# Altium PCB WunderBar_v102b _flip.PcbDoc (part 4 of 7)
Units mil, origin at the board's own origin, x right, y up, seen from the top; angles counter-clockwise.
Board outline 4556.01 x 1552 mil, 4 copper layers (Top, Route2, Route15, Bottom), stack 52.756 mil thick; 380 components, 258 nets, 1391 pads, 528 vias.
Unrouted connection lines stored in the file: 8.
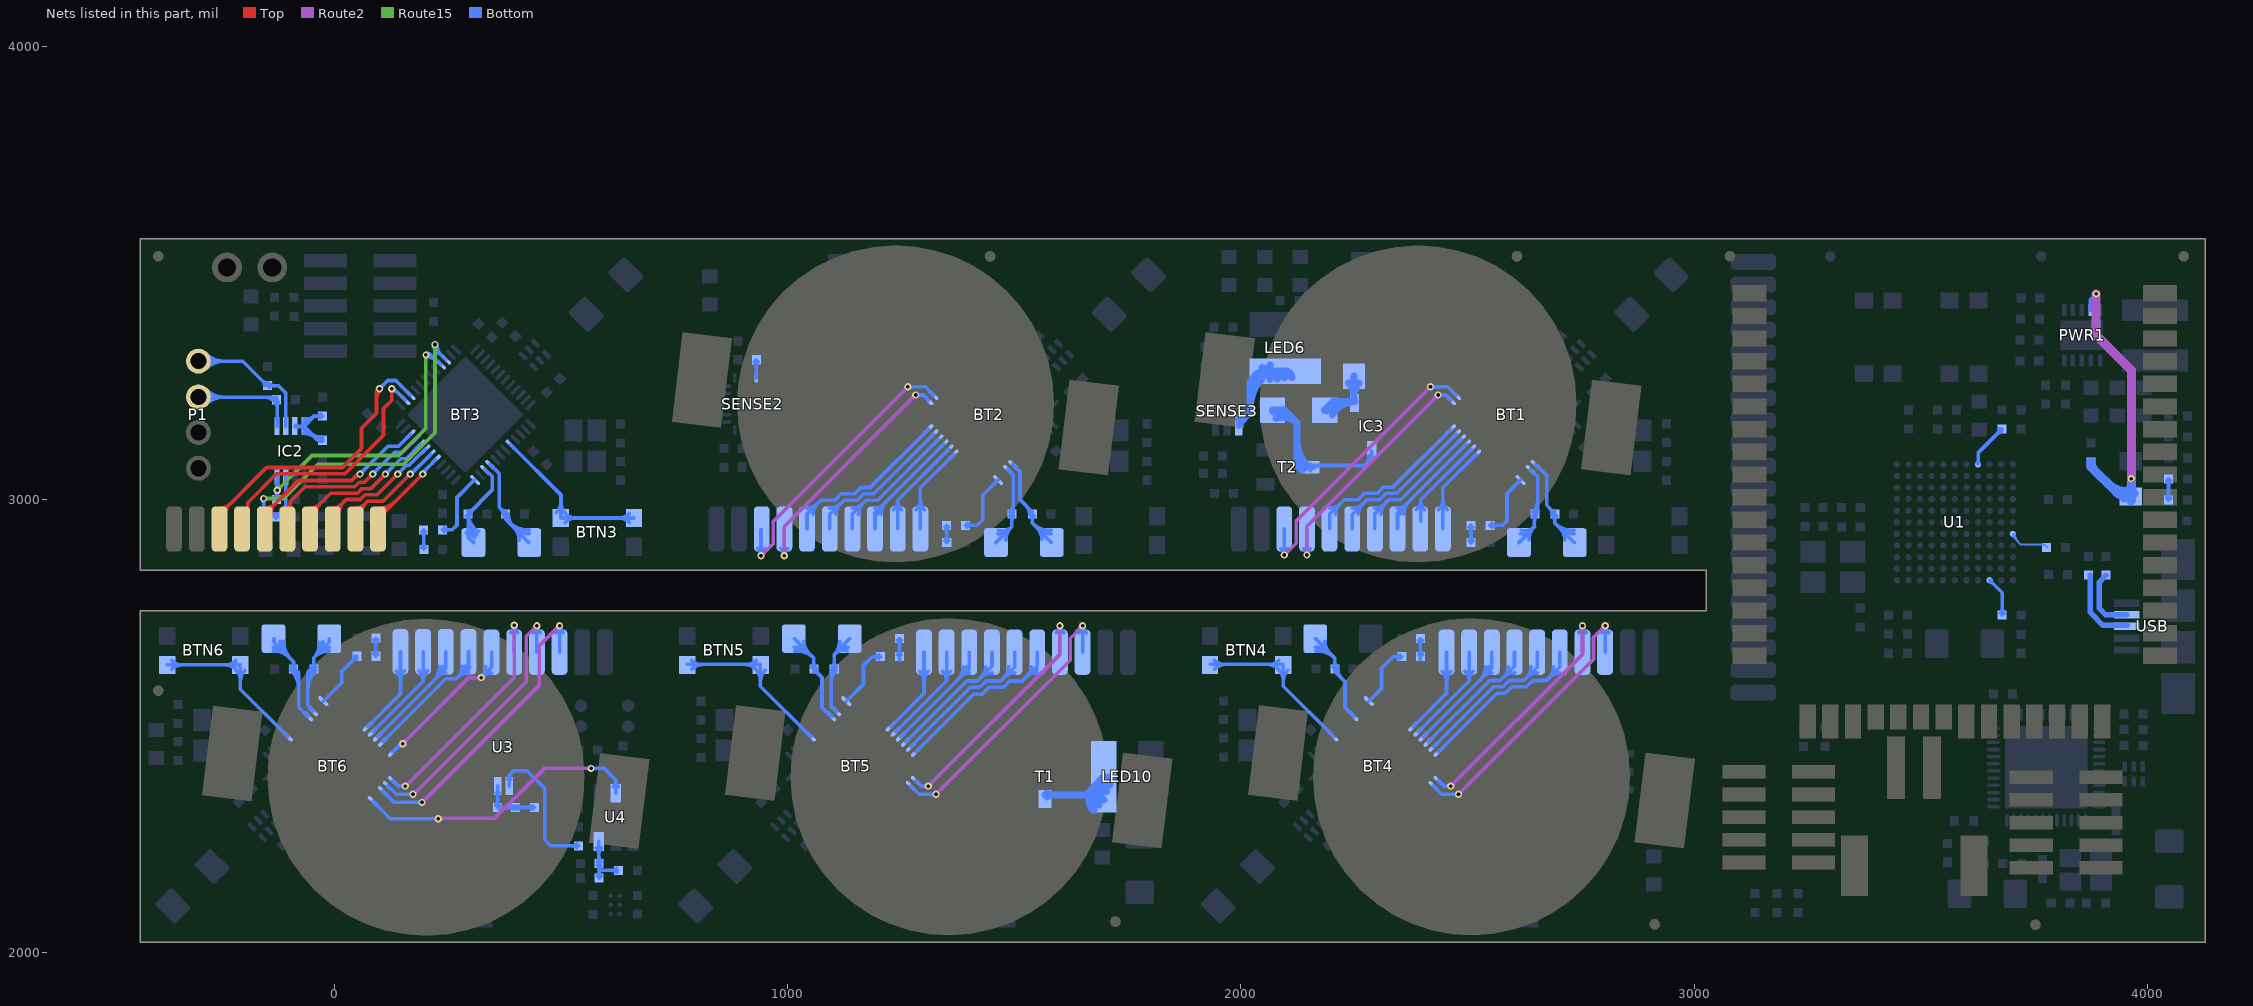
[diagram p6: the nets of this part, all layers, seen from the top]

## Via types
v1: diameter 16, hole 8, Top to Bottom, tented both sides, 282 vias
v2: diameter 24, hole 12, Top to Bottom, tented both sides, 135 vias
v3: diameter 14, hole 6, Top to Bottom, tented both sides, 34 vias
v4: diameter 48/41/41/48 (per signal layer), hole 32, Top to Bottom, 30 vias
v5: diameter 16, hole 8, Top to Route2, tented top, 18 vias
v6: diameter 21/21/21/21 (per signal layer), hole 12, Top to Bottom, tented both sides, 15 vias
v7: diameter 24, hole 12, Top to Route2, tented top, 12 vias
v8: diameter 21/21/21/21 (per signal layer), hole 12, Top to Bottom, 1 vias
v9: diameter 24, hole 8, Top to Bottom, tented both sides, 1 vias

## Nets (pads, with @x,y where several pads share a name; then routed paths per layer and width w, separated by ;. In a path a pad name is that pad's centre, name@x,y a point inside that pad or via, vN(x,y) a via of type N, cw(c..) or ccw(c..) an arc to the next point about the centre after c; other vN are vias at no path point) (continued)
NetC101_2: C101.2 R67.2 R68.2 U3.3 | length 258.2
  Bottom w8: C101.2@355.56,2325.29 ccw(c345.32,2335.53) 359.8,2335.53 ccw(c374.29,2335.53) 364.05,2325.29 ccw(c375,2336.24) 375,2320.75 ; U3.3@356.8,2353.57 cw(c349.54,2346.31) 359.8,2346.31 cw(c370.07,2346.31) U3.3@362.81,2353.57 ; U3.3@359.8,2368.32 C101.2@359.8,2321.05 360.1,2320.75 404.7,2320.75 R68.2@440.72,2320.75 ; C101.2@364.05,2316.8 cw(c373.58,2307.27) 373.58,2320.75 ; R67.2@394.99,2316.51 ccw(c384.74,2306.27) 384.74,2320.75 ccw(c384.74,2335.24) R67.2@394.99,2324.99 ; R67.2@403.47,2316.51 cw(c413.71,2306.27) 413.71,2320.75 cw(c413.71,2335.24) R67.2@403.47,2324.99 ; R68.2@436.48,2316.51 ccw(c426.24,2306.27) 426.24,2320.75 ccw(c426.24,2335.24) R68.2@436.48,2324.99
NetC106_1: C106.1 U1.L3 | length 122.2
  Bottom w8: U1.L3@3652.01,2819.07 cw(c3652.01,2811.83) 3657.14,2816.95 cw(c3662.26,2822.07) U1.L3@3655.01,2822.07 ; U1.L3@3652.01,2822.07 3679.63,2794.45 C106.1@3679.63,2745.48 ; C106.1@3675.39,2749.72 ccw(c3665.15,2759.97) 3679.63,2759.97 ccw(c3694.12,2759.97) C106.1@3683.87,2749.72
NetC112_2: C112.2 R63.2 R66.2 U4.3 | length 239
  Bottom w8: U4.3@577.66,2231.39 cw(c564.33,2218.05) 583.19,2218.05 cw(c602.04,2218.05) U4.3@588.71,2231.39 ; R66.2@579.59,2169.24 ccw(c569.35,2179.49) 583.83,2179.49 ccw(c598.32,2179.49) R66.2@588.08,2169.24 ; C112.2@579.59,2192.76 cw(c570.91,2184.08) 583.19,2184.08 ; C112.2@579.59,2201.24 ccw(c570.91,2209.92) 583.19,2209.92 ; 583.19,2213.05 ccw(c599.88,2213.05) C112.2@588.08,2201.24 ; U4.3@583.19,2245.77 583.19,2182.65 cw(c596.03,2182.63) C112.2@587.72,2192.43 ; R66.2@583.83,2165 583.83,2182 R63.2@624.03,2182 ; R63.2@622.09,2177.76 ccw(c611.85,2167.51) 611.85,2182 ccw(c611.85,2196.49) R63.2@622.09,2186.24
NetC114_2: C114.2 U1.G1 | length 134.1
  Bottom w4: U1.G1@3703,2919.96 ccw(c3706.06,2919.96) 3705.69,2916.92 ; U1.G1@3703.19,2924.46 3705.27,2922.38 3705.27,2916.73 3721.03,2900.97 3773.25,2900.97 C114.2@3780.22,2894 ; U1.G1@3704.19,2924.46 ccw(c3720.23,2924.46) 3708.89,2913.11 ; 3705.27,2917.41 cw(c3710.23,2917.41) U1.G1@3706.72,2920.92 ; U1.G1@3708.19,2924.46 ccw(c3733.89,2924.46) 3715.72,2906.28
NetIC3_2: IC3.2 LED13.K T2.3 | length 607.4
  Bottom w8: T2.3@2142.52,3071.48 2146.52,3075.48 2272.52,3075.48 2288.52,3090.48 IC3.2@2288.52,3106.48 ; T2.3@2146.93,3070.07 cw(c2160.01,3056.99) 2160.01,3075.48 cw(c2160.01,3085.97) T2.3@2152.59,3078.55 ; T2.3@2152.59,3064.41 cw(c2179.32,3037.68) 2179.32,3075.48 ; 2273.24,3076.15 ccw(c2253.11,3097.62) IC3.2@2282.52,3096.67
  Bottom w16: LED13.K@2069.52,3197.48 2095.52,3197.48 2123.52,3169.48 ; LED13.K@2071.02,3193.77 cw(c2083.29,3163.43) 2106.43,3186.57 ; LED13.K@2077.02,3178.94 cw(c2093.12,3139.09) 2123.52,3169.48 ; 2123.52,3090.79 ccw(c2160.83,3090.79) T2.3@2134.45,3064.41 ; 2123.52,3129.42 ccw(c2199.46,3129.42) T2.3@2145.76,3075.72 ; 2130.57,3083.43 cw(c2118.62,3071.48) T2.3@2135.52,3071.48 ; T2.3@2142.52,3071.48 2123.52,3090.48 2123.52,3169.48
NetIC3_4: IC3.4 L2.1 LED13.A | length 296.1
  Bottom w16: LED13.A@2184.52,3197.48 2203.52,3216.48 IC3.4@2251.52,3216.48 ; LED13.A@2188.09,3195.51 cw(c2224.07,3175.13) 2224.07,3216.48 ; LED13.A@2202.01,3187.62 cw(c2251.52,3159.58) IC3.4@2251.52,3216.48 ; L2.1@2237.84,3257.17 cw(c2209.63,3228.96) IC3.4@2249.52,3228.96 ; IC3.4@2249.52,3230.75 cw(c2286.88,3230.75) L2.1@2260.46,3257.17 ; L2.1@2249.52,3272.48 2249.52,3218.48 IC3.4@2251.52,3216.48
NetLED10_C: LED10.C T1.3 | length 511
  Bottom w16: T1.3@1567.52,2348.48 1658.52,2348.48 LED10.C@1697.52,2388.48 ; T1.3@1571.76,2344.24 cw(c1582.01,2333.99) 1582.01,2348.48 cw(c1582.01,2362.97) T1.3@1571.76,2352.72 ; 1658.1,2348.05 cw(c1686.45,2320.41) LED10.C@1703.6,2356.1 ; 1658.36,2348.32 cw(c1675.42,2331.69) LED10.C@1679.41,2355.17 ; LED10.C@1673.65,2364 cw(c1696.63,2341.59) LED10.C@1710.52,2370.52 ; LED10.C@1674.45,2364.82 ccw(c1699.89,2340.01) LED10.C@1674.97,2314.68 ; LED10.C@1679.65,2370.15 cw(c1681.63,2368.22) LED10.C@1682.1,2370.95 ; LED10.C@1682.07,2357.45 cw(c1718.27,2357.9) LED10.C@1692.35,2383.18 ; LED10.C@1685.67,2376.33 ccw(c1711.17,2351.47) LED10.C@1686.19,2326.09 ; LED10.C@1689.2,2379.95 cw(c1706.8,2362.78) LED10.C@1717.45,2384.94 ; LED10.C@1696.89,2387.84 ccw(c1722.44,2362.93) LED10.C@1697.42,2337.49
NetPWR1_9: PWR1.9 R56.1 R72.1 | length 804.2
  Route2 w20: v1(3887,3454) 3887,3363 3964.52,3285.48 v1(3964.52,3046.48)
  Bottom w10: PWR1.9@3875.52,3418.48 3875.52,3441.48 v1@3887.06,3453.02
  Bottom w20: 3883.3,3064.7 cw(c3902.08,3083.48) R56.1@3875.52,3083.48 3875.52,3072.48 3932,3016 ; 3912.06,3035.94 ccw(c3958.52,3082.4) R72.1@3958.52,3016.7 ; R72.1@3949,3003.62 ccw(c3932,2998.13) 3932,3016 ; R72.1@3949,3016 3932,3016 ; R72.1@3952.45,3014.64 cw(c3943,3027) 3932,3016 ; R72.1@3956.45,3013.77 ccw(c3936.96,3033.25) 3964.52,3033.25 ; R72.1@3963.52,3010.48 3963.52,2997.63 3964.52,2998.63 v1(3964.52,3046.48) ; 3964.52,3028.42 ccw(c3985.25,3028.42) R72.1@3970.59,3013.77
NetR30_2: R30.2 U1.A4 | length 133.8
  Bottom w8: U1.A4@3624.31,3080.05 ccw(c3619.19,3085.17) 3626.43,3085.17 ccw(c3633.67,3085.17) U1.A4@3628.55,3080.05 ; U1.A4@3626.43,3077.93 3626.43,3103.17 R30.2@3679.07,3155.81 ; R30.2@3673.07,3155.81 cw(c3658.58,3155.81) 3668.83,3145.57 cw(c3679.07,3135.33) R30.2@3679.07,3149.81
NetR51_1: R51.1 R53.2 | length 91.9
  Bottom w8: R53.2@4042.46,3003.53 ccw(c4032.26,3013.73) 4046.68,3013.73 ; R51.1@4042.44,3041.45 cw(c4032.2,3031.21) 4046.69,3031.21 cw(c4061.17,3031.21) R51.1@4050.93,3041.45 ; R53.2@4046.7,2999.29 R51.1@4046.69,3045.7 ; 4046.69,3013.81 ccw(c4061.23,3013.81) R53.2@4050.95,3003.53
NetR62_2: R62.2 U3.2 | length 355.2
  Bottom w8: U3.2@382.4,2383.08 ccw(c375.14,2390.33) 385.4,2390.33 ccw(c395.66,2390.33) U3.2@388.41,2383.08 ; U3.2@385.4,2368.32 385.4,2392.4 395,2402 424,2402 463.52,2362.48 463.52,2249.48 477.01,2235.99 R62.2@538.7,2235.99 ; R62.2@534.46,2231.75 ccw(c524.22,2221.51) 524.22,2235.99 ccw(c524.22,2250.48) R62.2@534.46,2240.24
NetR70_1: R70.1 USB.2_D- | length 145.8
  Bottom w12: R70.1@3909,2833.33 3894,2818.33 3894,2760 3907.93,2746.07 USB.2_D-@3954.52,2746.07
NetR71_1: R71.1 USB.3_D+ | length 175.7
  Bottom w12: R71.1@3874,2833.33 3874,2751 3902.52,2722.48 USB.3_D+@3955.52,2722.48
OPAMP_SHDW: BT6.18 U4.5 | length 723.5
  Route2 w8: v5(229,2296) 229.91,2296.91 352.91,2296.91 463,2407 v1(566,2407) ; v5@231.83,2293.17 cw(c240.84,2284.16) 240.84,2296.91 ; v1@563.17,2404.17 ccw(c556.34,2397.34) 556.34,2407 ccw(c556.34,2416.66) v1@563.17,2409.83
  Bottom w8: BT6.18@84.21,2334.92 123.04,2296.09 229,2296.09 ; 219.12,2296.09 cw(c219.12,2286.11) 226.17,2293.17 ; 219.57,2296.09 ccw(c219.57,2305.43) 226.17,2298.83 ; v1(566,2407) 595,2407 620.59,2381.41 U4.5@620.59,2352.07 ; v1@568.83,2404.17 cw(c575.66,2397.34) 575.66,2407 cw(c575.66,2416.66) v1@568.83,2409.83 ; U4.5@615.06,2366.45 ccw(c601.73,2379.78) 620.59,2379.78 ccw(c639.45,2379.78) U4.5@626.11,2366.45
P0.01E: BT3.5 PAD50.1 | length 306.4
  Top w8: PAD50.1@95.87,2935.48 95.87,2957.8 v1(194.53,3056.47) ; PAD50.1@95.87,2973.48 ccw(c95.87,3011.33) 122.63,2984.56 ; PAD50.1@95.87,2981.48 ccw(c95.87,3038.64) 136.28,2998.22 ; v1@190.53,3056.47 cw(c180.87,3056.47) 187.7,3049.64 cw(c194.53,3042.81) v1@194.53,3052.47
  Bottom w8: v1@194.14,3059.16 BT3.5@223.37,3088.39 ; v1@198.53,3056.47 cw(c215.63,3056.47) 203.54,3068.56
P0.02: BT1.6 PAD3.1 | length 245.9
  Bottom w8: PAD3.1@2435.97,2977.53 ccw(c2412.93,3000.57) 2445.52,3000.57 ccw(c2478.11,3000.57) PAD3.1@2455.07,2977.53 ; PAD3.1@2445.52,2935.48 2445.52,3026.17 BT1.6@2519.05,3099.7
P0.02B: BT2.6 PAD20.1 | length 245.9
  Bottom w8: PAD20.1@1282.97,2977.53 ccw(c1259.93,3000.57) 1292.52,3000.57 ccw(c1325.11,3000.57) PAD20.1@1302.07,2977.53 ; PAD20.1@1292.52,2935.48 1292.52,3026.17 BT2.6@1366.05,3099.7
P0.02C: BT4.6 PAD30.1 | length 245.9
  Bottom w8: BT4.6@2379.99,2499.26 2453.52,2572.79 PAD30.1@2453.52,2663.48 ; PAD30.1@2443.97,2621.43 cw(c2420.93,2598.39) 2453.52,2598.39 cw(c2486.11,2598.39) PAD30.1@2463.07,2621.43
P0.02D: BT5.6 PAD40.1 | length 245.9
  Bottom w8: BT5.6@1226.99,2499.26 1300.52,2572.79 PAD40.1@1300.52,2663.48 ; PAD40.1@1290.97,2621.43 cw(c1267.93,2598.39) 1300.52,2598.39 cw(c1333.11,2598.39) PAD40.1@1310.07,2621.43
P0.02E: BT3.6 PAD41.1 | length 331.9
  Top w8: PAD41.1@45.87,2935.48 45.87,2969.83 72.61,2996.57 106.99,2996.57 v1(166.89,3056.47) ; PAD41.1@45.87,2981.48 ccw(c45.87,3009.61) 65.76,2989.72 ; PAD41.1@59.37,2967.98 cw(c96.42,2967.98) 70.22,2994.18 ; v1@162.89,3056.47 cw(c153.23,3056.47) 160.06,3049.64 cw(c166.89,3042.81) v1@166.89,3052.47
  Bottom w8: v1(166.89,3056.47) 168.82,3056.47 BT3.6@212.05,3099.7 ; v1@166.89,3060.47 ccw(c166.89,3074.8) 177.02,3064.67
P0.02F: BT6.6 PAD53.1 | length 297.6
  Bottom w8: BT6.6@72.99,2499.26 145.34,2571.61 PAD53.1@145.34,2664.48 ; 145.34,2599.38 ccw(c112.75,2599.38) 135.79,2622.43 cw(c112.75,2599.38) 145.34,2599.38 ; 145.34,2599.38 cw(c177.93,2599.38) 154.89,2622.43 ccw(c177.93,2599.38) 145.34,2599.38
P0.04: BT1.8 PAD5.1 | length 316.3
  Bottom w8: PAD5.1@2345.52,2935.48 2345.52,2970.89 BT1.8@2496.69,3122.06 ; PAD5.1@2345.52,2981.48 ccw(c2345.52,3007.06) 2363.6,2988.97 ; PAD5.1@2351.02,2967.98 cw(c2371.32,2967.98) PAD5.1@2356.96,2982.33 ; PAD5.1@2359.02,2967.98 cw(c2398.63,2967.98) 2370.62,2995.99
P0.04B: BT2.8 PAD12.1 | length 316.3
  Bottom w8: PAD12.1@1192.52,2935.48 1192.52,2970.89 BT2.8@1343.69,3122.06 ; PAD12.1@1192.52,2981.48 ccw(c1192.52,3007.06) 1210.6,2988.97 ; PAD12.1@1198.02,2967.98 cw(c1218.32,2967.98) PAD12.1@1203.96,2982.33 ; PAD12.1@1206.02,2967.98 cw(c1245.63,2967.98) 1217.62,2995.99
P0.04C: BT4.8 PAD22.1 | length 316.3
  Bottom w8: BT4.8@2402.35,2476.9 2553.52,2628.07 PAD22.1@2553.52,2663.48 ; 2528.42,2602.97 ccw(c2500.41,2630.98) PAD22.1@2540.02,2630.98 ; 2535.44,2609.99 cw(c2553.52,2591.91) PAD22.1@2553.52,2617.48 ; PAD22.1@2542.08,2616.63 ccw(c2527.72,2630.98) PAD22.1@2548.02,2630.98
P0.04D: BT5.8 PAD32.1 | length 352.3
  Bottom w8: BT5.8@1249.35,2476.9 1400.52,2628.07 PAD32.1@1400.52,2663.48 PAD32.1@1400.52,2627.48 ; 1375.42,2602.97 ccw(c1347.41,2630.98) PAD32.1@1387.02,2630.98 ; 1382.44,2609.99 cw(c1400.52,2591.91) PAD32.1@1400.52,2617.48 ; PAD32.1@1389.08,2616.63 ccw(c1374.72,2630.98) PAD32.1@1395.02,2630.98
P0.04E: BT3.8 PAD43.1 | length 422.2
  Top w8: PAD43.1@-54.13,2935.48 -54.13,2968.83 -8.48,3014.48 50.61,3014.48 60.61,3024.48 80.16,3024.48 v1(112.15,3056.47) ; PAD43.1@-54.13,2981.48 ccw(c-54.13,3012.03) -32.53,2990.43 ; PAD43.1@-40.63,2967.98 cw(c-6,2967.98) -30.49,2992.47 ; v1@108.15,3056.47 cw(c98.5,3056.47) 105.32,3049.64 cw(c112.15,3042.81) v1@112.15,3052.47
  Bottom w8: v1(112.15,3056.47) 145.97,3090.28 157.92,3090.28 BT3.8@189.69,3122.06 ; v1@112.15,3060.47 ccw(c112.15,3070.13) 118.98,3063.3 ccw(c125.81,3056.47) v1@116.15,3056.47
P0.04F: BT6.8 PAD55.1 | length 417.7
  Bottom w8: BT6.8@95.35,2476.9 245.38,2626.93 PAD55.1@245.38,2664.48 ; 227.72,2616.46 cw(c252.76,2609.75) PAD55.1@244.59,2634.35 ; 218.76,2600.31 ccw(c187.1,2631.98) 231.88,2631.98 cw(c187.1,2631.98) 218.76,2600.31 ; 230.95,2612.5 cw(c245.38,2598.07) 245.38,2618.48 ccw(c245.38,2598.07) 230.95,2612.5 ; 232.42,2613.97 ccw(c214.41,2631.98) 239.88,2631.98 cw(c214.41,2631.98) 232.42,2613.97
P0.05: BT1.9 PAD6.1 | length 343.1
  Bottom w8: PAD6.1@2295.52,2935.48 2295.52,2969.52 2326,3000 2352.36,3000 BT1.9@2485.56,3133.19 ; PAD6.1@2295.52,2981.48 ccw(c2295.52,3010.36) 2315.94,2989.94 ; PAD6.1@2309.02,2967.98 cw(c2345.33,2967.98) 2319.65,2993.65
P0.05B: BT2.9 PAD13.1 | length 342.5
  Bottom w8: PAD13.1@1142.52,2935.48 1142.52,2968.52 1173,2999 1198.36,2999 BT2.9@1332.56,3133.19 ; PAD13.1@1142.52,2981.48 ccw(c1142.52,3012.77) 1164.64,2990.64 ; PAD13.1@1156.02,2967.98 cw(c1189.91,2967.98) 1165.95,2991.95
P0.05C: BT4.9 PAD23.1 | length 341.3
  Bottom w8: BT4.9@2413.48,2465.77 2548.72,2601 2572,2601 2603.52,2632.52 PAD23.1@2603.52,2663.48 ; 2577.85,2606.85 cw(c2603.52,2581.17) PAD23.1@2603.52,2617.48 ; 2581.56,2610.56 ccw(c2561.14,2630.98) PAD23.1@2590.02,2630.98
P0.05D: BT5.9 PAD33.1 | length 341.3
  Bottom w8: BT5.9@1260.48,2465.77 1281.06,2486.34 1394.72,2600 1418,2600 1450.52,2632.52 PAD33.1@1450.52,2663.48 ; 1424.85,2606.85 cw(c1450.52,2581.17) PAD33.1@1450.52,2617.48 ; 1428.56,2610.56 ccw(c1408.14,2630.98) PAD33.1@1437.02,2630.98
P0.05E: BT3.9 PAD49.1 | length 470.8
  Top w8: PAD49.1@-108.63,2980.71 ccw(c-114.21,2996.48) -97.48,2996.48 ; PAD49.1@-105.97,2973.17 ccw(c-110.21,2985.17) PAD49.1@-97.48,2985.17 ; PAD49.1@-104.13,2935.48 -104.13,2967.83 -97.48,2974.48 -97.48,2996.48 ; PAD49.1@-97.48,2984.51 ccw(c-87.6,2984.51) PAD49.1@-94.59,2977.53 ; v1@80.15,3056.47 cw(c70.5,3056.47) 77.32,3049.64 cw(c84.15,3042.81) v1@84.15,3052.47 ; v1(84.15,3056.47) 66.16,3038.48 54.48,3038.48 44.48,3028.48 -65.48,3028.48 -97.48,2996.48
  Bottom w8: v1(84.15,3056.47) 131.87,3104.19 149.55,3104.19 BT3.9@178.56,3133.19 ; v1@84.15,3060.47 ccw(c84.15,3070.13) 90.98,3063.3 ccw(c97.81,3056.47) v1@88.15,3056.47
P0.05F: BT6.9 PAD56.1 | length 440.8
  Bottom w8: BT6.9@106.48,2465.77 245.29,2604.57 268.57,2604.57 295.39,2631.39 PAD56.1@295.39,2664.48 ; 278.31,2618.6 cw(c299.6,2612.89) PAD56.1@294.86,2634.42 ; 282.57,2615.04 ccw(c277.11,2635.43) PAD56.1@297.85,2631.51 ; 271.93,2607.93 ccw(c247.89,2631.98) 281.89,2631.98 cw(c247.89,2631.98) 271.93,2607.93 ; 273.34,2609.34 cw(c295.39,2587.3) 295.39,2618.48 ccw(c295.39,2587.3) 273.34,2609.34
P0.06: BT1.10 PAD7.1 | length 385.4
  Bottom w8: PAD7.1@2245.52,2935.48 2245.52,2967.52 2278,3000 2306.33,3000 2320.24,3013.91 2344,3013.91 BT1.10@2474.42,3144.33 ; PAD7.1@2245.52,2981.48 ccw(c2245.52,3015.18) 2269.35,2991.35 ; PAD7.1@2259.02,2967.98 cw(c2290.5,2967.98) 2268.24,2990.24
P0.06B: BT2.10 PAD19.1 | length 385.4
  Bottom w8: PAD19.1@1092.52,2935.48 1092.52,2967.52 1124,2999 1153.33,2999 1167.24,3012.91 1190,3012.91 BT2.10@1321.42,3144.33 ; PAD19.1@1092.52,2981.48 ccw(c1092.52,3015.18) 1116.35,2991.35 ; PAD19.1@1106.02,2967.98 cw(c1137.5,2967.98) 1115.24,2990.24
P0.06C: BT4.10 PAD29.1 | length 385.9
  Bottom w8: BT4.10@2424.62,2454.63 2557.08,2587.09 2577.76,2587.09 2591.67,2601 2624,2601 2653.52,2630.52 PAD29.1@2653.52,2663.48 ; 2630.15,2607.15 ccw(c2606.32,2630.98) PAD29.1@2640.02,2630.98 ; 2631.26,2608.26 cw(c2653.52,2586) PAD29.1@2653.52,2617.48
P0.06D: BT5.10 PAD39.1 | length 385.9
  Bottom w8: BT5.10@1271.62,2454.63 1403.08,2586.09 1423.76,2586.09 1437.67,2600 1470,2600 1500.52,2630.52 PAD39.1@1500.52,2663.48 ; 1477.15,2607.15 ccw(c1453.32,2630.98) PAD39.1@1487.02,2630.98 ; 1478.26,2608.26 cw(c1500.52,2586) PAD39.1@1500.52,2617.48
P0.06E: BT3.10 PAD44.1 | length 509.6
  Top w8: PAD44.1@-154.13,2935.48 -154.13,2967.83 -79.57,3042.39 37.52,3042.39 51.6,3056.47 v1(56.15,3056.47) ; PAD44.1@-154.13,2981.48 ccw(c-154.13,3014.44) -130.83,2991.13 ; PAD44.1@-140.63,2967.98 cw(c-108.41,2967.98) -131.2,2990.76 ; 41.56,3046.42 cw(c56.15,3031.83) v1@56.15,3052.47
  Bottom w8: v1(56.15,3056.47) 117.78,3118.09 141.19,3118.09 BT3.10@167.42,3144.33 ; v1@56.15,3060.47 ccw(c56.15,3070.13) 62.98,3063.3 ccw(c69.81,3056.47) v1@60.15,3056.47
P0.07: BT1.11 PAD8.1 | length 428.8
  Bottom w8: PAD8.1@2195.52,2935.48 2195.52,2967.52 2228,3000 2258.33,3000 2272.24,3013.91 2300.57,3013.91 2314.48,3027.81 2335.63,3027.81 BT1.11@2463.29,3155.47 ; PAD8.1@2195.52,2981.48 ccw(c2195.52,3015.18) 2219.35,2991.35 ; PAD8.1@2209.02,2967.98 cw(c2240.5,2967.98) 2218.24,2990.24
P0.07B: BT2.11 PAD14.1 | length 429.4
  Bottom w8: PAD14.1@1042.52,2935.48 1042.52,2968.52 1073,2999 1104.33,2999 1118.24,3012.91 1147.57,3012.91 1161.48,3026.81 1181.63,3026.81 BT2.11@1310.29,3155.47 ; PAD14.1@1042.52,2981.48 ccw(c1042.52,3012.77) 1064.64,2990.64 ; PAD14.1@1056.02,2967.98 cw(c1089.91,2967.98) 1065.95,2991.95
P0.07C: BT4.11 PAD24.1 | length 429.4
  Bottom w8: BT4.11@2435.75,2443.49 2565.45,2573.19 2583.52,2573.19 2597.33,2587 2629.67,2587 2643.67,2601 2674,2601 2703.52,2630.52 PAD24.1@2703.52,2663.48 ; 2680.15,2607.15 ccw(c2656.32,2630.98) PAD24.1@2690.02,2630.98 ; 2681.26,2608.26 cw(c2703.52,2586) PAD24.1@2703.52,2617.48
P0.07D: BT5.11 PAD34.1 | length 442.9
  Bottom w8: BT5.11@1282.75,2443.49 1304,2464.74 1410.26,2571 1429,2571 1444,2586 1476,2586 1490,2600 1517,2600 1550.52,2633.52 PAD34.1@1550.52,2663.48 ; 1523.14,2606.14 cw(c1550.52,2578.76) PAD34.1@1550.52,2617.48 ; 1529.27,2612.27 ccw(c1510.56,2630.98) PAD34.1@1537.02,2630.98 ; PAD34.1@1536.8,2619.8 cw(c1550.52,2606.07) PAD34.1@1550.52,2625.48
P0.07F: BT6.11 PAD57.1 | length 469
  Route2 w8: v5(150.52,2461.48) 296.52,2607.48 v5(323.52,2607.48) ; v5@150.52,2465.48 ccw(c150.52,2475.14) 157.35,2468.31 ccw(c164.18,2461.48) v5@154.52,2461.48 ; v5@320.69,2604.65 ccw(c313.86,2597.82) 313.86,2607.48 ccw(c313.86,2617.14) v5@320.69,2610.31
  Bottom w8: BT6.11@128.75,2443.49 146.74,2461.48 v5(150.52,2461.48) ; BT6.11@137.24,2451.98 cw(c150.52,2438.7) 150.52,2457.48 ; 322.48,2611.34 ccw(c319.98,2620.67) 328.35,2615.84 ccw(c336.71,2611.01) 327.38,2608.52 ; 323.52,2611.48 ccw(c323.52,2621.14) 330.35,2614.31 ccw(c337.18,2607.48) 327.52,2607.48 ; 324.4,2608.36 cw(c346.41,2586.35) PAD57.1@346.41,2617.48 ; 324.56,2611.34 ccw(c326.77,2619.61) 331.05,2612.2 ; 327.38,2606.45 cw(c337.77,2603.66) 332.4,2612.98 ; PAD57.1@332.91,2630.74 cw(c300.83,2630.17) v5(323.52,2607.48) 346.41,2630.37 PAD57.1@346.41,2663.48
P0.08: BT1.14 PAD9.1 | length 693
  Route2 w8: v1@2142.69,2880.83 ccw(c2135.86,2887.66) 2145.52,2887.66 ccw(c2155.18,2887.66) v1@2148.35,2880.83 ; v1(2145.52,2878) 2145.52,2941.52 v5(2435,3231) ; v5@2431,3231 cw(c2421.34,3231) 2428.17,3224.17 cw(c2435,3217.34) v5@2435,3227
  Bottom w8: PAD9.1@2138.12,2891.69 cw(c2129.16,2878) v1(2145.52,2878) ; v1@2142.27,2880.33 ccw(c2136.6,2884.38) 2143.33,2886.18 ccw(c2150.06,2887.98) v1@2147.17,2881.64 ; v1@2142.69,2880.83 ccw(c2135.86,2887.66) 2145.52,2887.66 ccw(c2155.18,2887.66) v1@2148.35,2880.83 ; v1@2143.86,2881.64 ccw(c2140.98,2887.98) 2147.71,2886.18 ccw(c2154.44,2884.38) v1@2148.77,2880.33 ; PAD9.1@2145.52,2935.48 v1(2145.52,2878) ; PAD9.1@2152.92,2891.69 ccw(c2161.88,2878) v1(2145.52,2878) ; v5(2435,3231) 2451.78,3231 BT1.14@2463.29,3219.49 ; 2437.83,3228.17 cw(c2444.66,3221.34) 2444.66,3231 cw(c2444.66,3240.66) 2437.83,3233.83 ; 2445.51,3231 cw(c2445.51,3215.86) BT1.14@2456.21,3226.57
P0.08B: BT2.14 PAD15.1 | length 707.6
  Route2 w8: v1@989.17,2878.83 ccw(c982.34,2885.66) 992,2885.66 ccw(c1001.66,2885.66) v1@994.83,2878.83 ; v1(992,2876) 992,2941 v5(1282,3231) ; v5@1278,3231 cw(c1268.34,3231) 1275.17,3224.17 cw(c1282,3217.34) v5@1282,3227
  Bottom w8: PAD15.1@984.09,2892.43 cw(c970.96,2876) v1(992,2876) ; v1@988.54,2878 ccw(c980.18,2882.83) 989.5,2885.33 ccw(c998.83,2887.83) v1@994,2879.46 ; v1@989.17,2878.83 ccw(c982.34,2885.66) 992,2885.66 ccw(c1001.66,2885.66) v1@994.83,2878.83 ; v1@990,2879.46 ccw(c985.17,2887.83) 994.5,2885.33 ccw(c1003.82,2882.83) v1@995.46,2878 ; PAD15.1@992,2934.96 v1(992,2876) ; PAD15.1@1000.28,2891.93 ccw(c1011.48,2876) v1(992,2876) ; v5(1282,3231) 1298.78,3231 BT2.14@1310.29,3219.49 ; 1284.83,3228.17 cw(c1291.66,3221.34) 1291.66,3231 cw(c1291.66,3240.66) 1284.83,3233.83 ; 1292.51,3231 cw(c1292.51,3215.86) BT2.14@1303.21,3226.57
P0.08C: BT4.14 PAD25.1 | length 701.9
  Route2 w8: v5(2463,2368) 2753.52,2658.52 v1(2753.52,2722) ; v5@2463,2372 ccw(c2463,2381.66) 2469.83,2374.83 ccw(c2476.66,2368) v5@2467,2368 ; v1@2750.69,2719.17 cw(c2743.86,2712.34) 2753.52,2712.34 cw(c2763.18,2712.34) v1@2756.35,2719.17
  Bottom w8: BT4.14@2435.75,2379.47 2447.22,2368 v5(2463,2368) ; BT4.14@2442.83,2372.39 ccw(c2453.43,2383) 2453.43,2368 ; 2460.17,2365.17 ccw(c2453.34,2358.34) 2453.34,2368 ccw(c2453.34,2377.66) 2460.17,2370.83 ; PAD25.1@2745.75,2707.02 ccw(c2735.2,2722) v1(2753.52,2722) ; v1@2750.08,2719.96 cw(c2742.13,2715.23) 2751.06,2712.84 cw(c2760,2710.44) v1@2755.48,2718.51 ; v1@2750.69,2719.17 cw(c2743.86,2712.34) 2753.52,2712.34 cw(c2763.18,2712.34) v1@2756.35,2719.17 ; v1@2751.56,2718.51 cw(c2747.04,2710.44) 2755.97,2712.84 cw(c2764.9,2715.23) v1@2756.96,2719.96 ; PAD25.1@2753.52,2663.48 v1(2753.52,2722) ; PAD25.1@2761.29,2707.02 cw(c2771.84,2722) v1(2753.52,2722)
P0.08D: BT5.14 PAD35.1 | length 701.9
  Route2 w8: v5(1310,2368) 1600.52,2658.52 v1(1600.52,2722) ; v5@1310,2372 ccw(c1310,2381.66) 1316.83,2374.83 ccw(c1323.66,2368) v5@1314,2368 ; v1@1597.69,2719.17 cw(c1590.86,2712.34) 1600.52,2712.34 cw(c1610.18,2712.34) v1@1603.35,2719.17
  Bottom w8: BT5.14@1282.75,2379.47 1294.22,2368 v5(1310,2368) ; BT5.14@1289.83,2372.39 ccw(c1300.43,2383) 1300.43,2368 ; 1307.17,2365.17 ccw(c1300.34,2358.34) 1300.34,2368 ccw(c1300.34,2377.66) 1307.17,2370.83 ; PAD35.1@1592.75,2707.02 ccw(c1582.2,2722) v1(1600.52,2722) ; v1@1597.08,2719.96 cw(c1589.13,2715.23) 1598.06,2712.84 cw(c1607,2710.44) v1@1602.48,2718.51 ; v1@1597.69,2719.17 cw(c1590.86,2712.34) 1600.52,2712.34 cw(c1610.18,2712.34) v1@1603.35,2719.17 ; v1@1598.56,2718.51 cw(c1594.04,2710.44) 1602.97,2712.84 cw(c1611.91,2715.23) v1@1603.96,2719.96 ; PAD35.1@1600.52,2663.48 v1(1600.52,2722) ; PAD35.1@1608.29,2707.02 cw(c1618.84,2722) v1(1600.52,2722)
P0.08E: BT3.14 PAD45.1 | length 607.4
  Top w8: PAD45.1@-204.13,2935.48 -191.48,2948.13 -191.48,2993.48 -127.96,3057 23.04,3057 108,3141.96 108,3200.96 126,3218.96 v1(126,3245) ; v1@123.17,3242.17 cw(c116.34,3235.34) 126,3235.34 cw(c135.66,3235.34) v1@128.83,3242.17